# KiCad board demo_matrix2.kicad_pcb (continued)
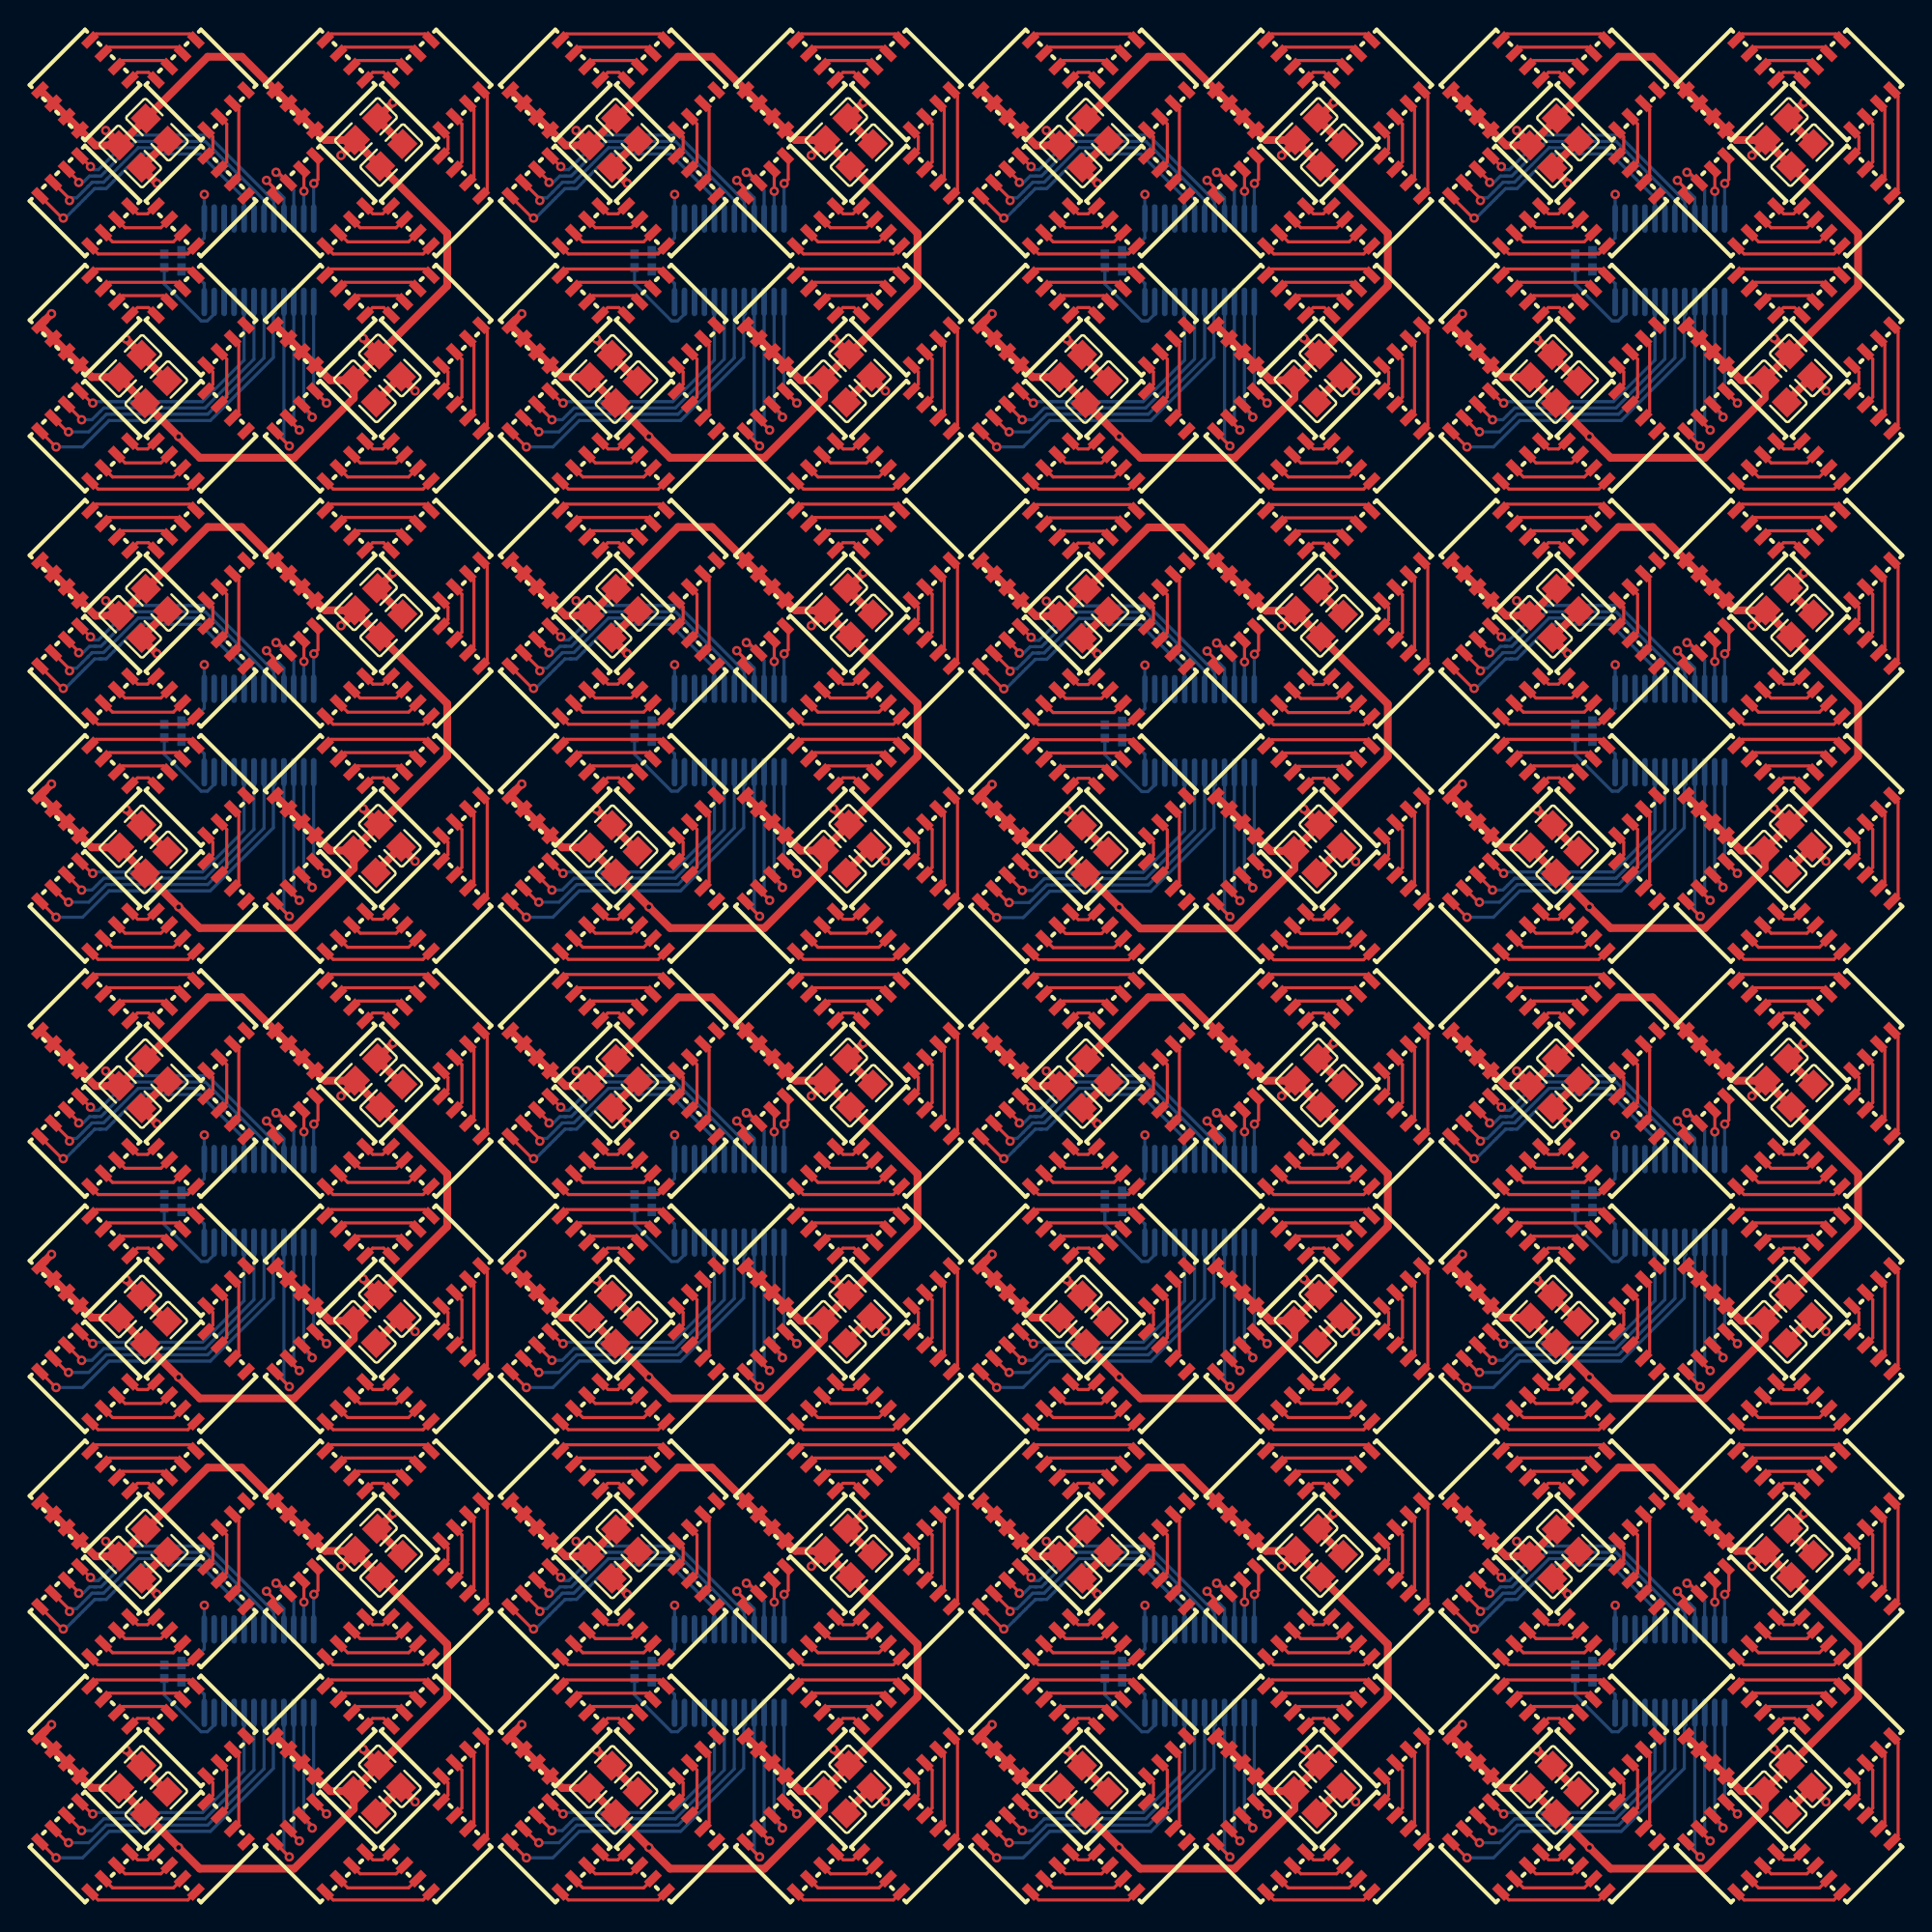
[diagram p0: board, top side]
## Routing (per net, layer and track width the routed paths; a pad name or vN(x,y) marks a point on that pad's centre or on a via; arc(x,y) is an arc through that point) (continued)
rgbs[3]-anodes-anode-52: length 5.5
  Top w0.2: LED200.4 110.56,12.39 114.44,12.39 LED199.3
rgbs[3]-anodes-anode-53: length 7.2
  Top w0.2: LED200.2 109.63,11.62 115.37,11.62 LED199.1
rgbs[3]-anodes-anode-54: length 3.8
  Top w0.2: LED200.6 111.36,13.29 113.64,13.29 LED199.5
rgbs[3]-anodes-anode-55: length 2.1
  Top w0.2: LED200.8 112.16,14.18 112.79,14.18 113.25,14.64 113.29,14.64 LED199.7
rgbs[3]-anodes-anode-56: length 5.5
  Top w0.2: LED203.3 99.44,-2.61 95.56,-2.61 LED204.4
rgbs[3]-anodes-anode-57: length 7.2
  Top w0.2: LED203.1 100.37,-3.38 94.63,-3.38 LED204.2
rgbs[3]-anodes-anode-58: length 3.8
  Top w0.2: LED204.6 96.36,-1.71 98.64,-1.71 LED203.5
rgbs[3]-anodes-anode-59: length 2.1
  Top w0.2: LED204.8 97.16,-0.82 97.79,-0.82 98.25,-0.36 98.29,-0.36 LED203.7
rgbs[3]-anodes-anode-60: length 5.5
  Top w0.2: LED208.4 110.56,-2.61 114.44,-2.61 LED207.3
rgbs[3]-anodes-anode-61: length 7.2
  Top w0.2: LED208.2 109.63,-3.38 115.37,-3.38 LED207.1
rgbs[3]-anodes-anode-62: length 3.8
  Top w0.2: LED208.6 111.36,-1.71 113.64,-1.71 LED207.5
rgbs[3]-anodes-anode-63: length 2.1
  Top w0.2: LED208.8 112.16,-0.82 112.79,-0.82 113.25,-0.36 113.29,-0.36 LED207.7
rgbs[3]-anodes-anode-64: length 5.5
  Top w0.2: LED212.4 65.56,12.39 69.44,12.39 LED211.3
rgbs[3]-anodes-anode-65: length 7.2
  Top w0.2: LED211.1 70.37,11.62 64.63,11.62 LED212.2
rgbs[3]-anodes-anode-66: length 3.8
  Top w0.2: LED212.6 66.36,13.29 68.64,13.29 LED211.5
rgbs[3]-anodes-anode-67: length 2.1
  Top w0.2: LED212.8 67.16,14.18 67.79,14.18 68.25,14.64 68.29,14.64 LED211.7
rgbs[3]-anodes-anode-68: length 5.5
  Top w0.2: LED216.4 80.56,12.39 84.44,12.39 LED215.3
rgbs[3]-anodes-anode-69: length 7.2
  Top w0.2: LED216.2 79.63,11.62 85.37,11.62 LED215.1
rgbs[3]-anodes-anode-70: length 3.8
  Top w0.2: LED216.6 81.36,13.29 83.64,13.29 LED215.5
rgbs[3]-anodes-anode-71: length 2.1
  Top w0.2: LED216.8 82.16,14.18 82.79,14.18 83.25,14.64 83.29,14.64 LED215.7
rgbs[3]-anodes-anode-72: length 5.5
  Top w0.2: LED219.3 69.44,-2.61 65.56,-2.61 LED220.4
rgbs[3]-anodes-anode-73: length 7.2
  Top w0.2: LED220.2 64.63,-3.38 70.37,-3.38 LED219.1
rgbs[3]-anodes-anode-74: length 3.8
  Top w0.2: LED219.5 68.64,-1.71 66.36,-1.71 LED220.6
rgbs[3]-anodes-anode-75: length 2.1
  Top w0.2: LED219.7 68.29,-0.36 68.25,-0.36 67.79,-0.82 67.16,-0.82 LED220.8
rgbs[3]-anodes-anode-76: length 5.5
  Top w0.2: LED224.4 80.56,-2.61 84.44,-2.61 LED223.3
rgbs[3]-anodes-anode-77: length 7.2
  Top w0.2: LED224.2 79.63,-3.38 85.37,-3.38 LED223.1
rgbs[3]-anodes-anode-78: length 3.8
  Top w0.2: LED223.5 83.64,-1.71 81.36,-1.71 LED224.6
rgbs[3]-anodes-anode-79: length 2.1
  Top w0.2: LED223.7 83.29,-0.36 83.25,-0.36 82.79,-0.82 82.16,-0.82 LED224.8
rgbs[3]-anodes-anode-80: length 5.5
  Top w0.2: LED227.3 39.44,12.39 35.56,12.39 LED228.4
rgbs[3]-anodes-anode-81: length 7.2
  Top w0.2: LED227.1 40.37,11.62 34.63,11.62 LED228.2
rgbs[3]-anodes-anode-82: length 3.8
  Top w0.2: LED228.6 36.36,13.29 38.64,13.29 LED227.5
rgbs[3]-anodes-anode-83: length 2.1
  Top w0.2: LED228.8 37.16,14.18 37.79,14.18 38.25,14.64 38.29,14.64 LED227.7
rgbs[3]-anodes-anode-84: length 5.5
  Top w0.2: LED231.3 54.44,12.39 50.56,12.39 LED232.4
rgbs[3]-anodes-anode-85: length 7.2
  Top w0.2: LED231.1 55.37,11.62 49.63,11.62 LED232.2
rgbs[3]-anodes-anode-86: length 3.8
  Top w0.2: LED232.6 51.36,13.29 53.64,13.29 LED231.5
rgbs[3]-anodes-anode-87: length 2.1
  Top w0.2: LED231.7 53.29,14.64 53.25,14.64 52.79,14.18 52.16,14.18 LED232.8
rgbs[3]-anodes-anode-88: length 5.5
  Top w0.2: LED236.4 35.56,-2.61 39.44,-2.61 LED235.3
rgbs[3]-anodes-anode-89: length 7.2
  Top w0.2: LED235.1 40.37,-3.38 34.63,-3.38 LED236.2
rgbs[3]-anodes-anode-90: length 3.8
  Top w0.2: LED235.5 38.64,-1.71 36.36,-1.71 LED236.6
rgbs[3]-anodes-anode-91: length 2.1
  Top w0.2: LED236.8 37.16,-0.82 37.79,-0.82 38.25,-0.36 38.29,-0.36 LED235.7
rgbs[3]-anodes-anode-92: length 5.5
  Top w0.2: LED239.3 54.44,-2.61 50.56,-2.61 LED240.4
rgbs[3]-anodes-anode-93: length 7.2
  Top w0.2: LED239.1 55.37,-3.38 49.63,-3.38 LED240.2
rgbs[3]-anodes-anode-94: length 3.8
  Top w0.2: LED240.6 51.36,-1.71 53.64,-1.71 LED239.5
rgbs[3]-anodes-anode-95: length 2.1
  Top w0.2: LED240.8 52.16,-0.82 52.79,-0.82 53.25,-0.36 53.29,-0.36 LED239.7
rgbs[3]-anodes-anode-96: length 5.5
  Top w0.2: LED244.4 5.56,12.39 9.44,12.39 LED243.3
rgbs[3]-anodes-anode-97: length 7.2
  Top w0.2: LED244.2 4.63,11.62 10.37,11.62 LED243.1
rgbs[3]-anodes-anode-98: length 3.8
  Top w0.2: LED243.5 8.64,13.29 6.36,13.29 LED244.6
rgbs[3]-anodes-anode-99: length 2.1
  Top w0.2: LED243.7 8.29,14.64 8.25,14.64 7.79,14.18 7.16,14.18 LED244.8
rgbs[3]-anodes-anode-100: length 5.5
  Top w0.2: LED248.4 20.56,12.39 24.44,12.39 LED247.3
rgbs[3]-anodes-anode-101: length 7.2
  Top w0.2: LED247.1 25.37,11.62 19.63,11.62 LED248.2
rgbs[3]-anodes-anode-102: length 3.8
  Top w0.2: LED248.6 21.36,13.29 23.64,13.29 LED247.5
rgbs[3]-anodes-anode-103: length 2.1
  Top w0.2: LED248.8 22.16,14.18 22.79,14.18 23.25,14.64 23.29,14.64 LED247.7
rgbs[3]-anodes-anode-104: length 5.5
  Top w0.2: LED252.4 5.56,-2.61 9.44,-2.61 LED251.3
rgbs[3]-anodes-anode-105: length 7.2
  Top w0.2: LED251.1 10.37,-3.38 4.63,-3.38 LED252.2
rgbs[3]-anodes-anode-106: length 3.8
  Top w0.2: LED252.6 6.36,-1.71 8.64,-1.71 LED251.5
rgbs[3]-anodes-anode-107: length 2.1
  Top w0.2: LED252.8 7.16,-0.82 7.79,-0.82 8.25,-0.36 8.29,-0.36 LED251.7
rgbs[3]-anodes-anode-108: length 5.5
  Top w0.2: LED256.4 20.56,-2.61 24.44,-2.61 LED255.3
rgbs[3]-anodes-anode-109: length 7.2
  Top w0.2: LED255.1 25.37,-3.38 19.63,-3.38 LED256.2
rgbs[3]-anodes-anode-110: length 3.8
  Top w0.2: LED255.5 23.64,-1.71 21.36,-1.71 LED256.6
rgbs[3]-anodes-anode-111: length 2.1
  Top w0.2: LED255.7 23.29,-0.36 23.25,-0.36 22.79,-0.82 22.16,-0.82 LED256.8
rgbs[3]-anodes-anode-112: length 5.5
  Top w0.2: LED19.3 39.44,102.39 35.56,102.39 LED20.4
rgbs[3]-anodes-anode-113: length 7.2
  Top w0.2: LED19.1 40.37,101.62 34.63,101.62 LED20.2
rgbs[3]-anodes-anode-114: length 3.8
  Top w0.2: LED19.5 38.64,103.29 36.36,103.29 LED20.6
rgbs[3]-anodes-anode-115: length 2.1
  Top w0.2: LED20.8 37.16,104.18 37.79,104.18 38.25,104.64 38.29,104.64 LED19.7
rgbs[3]-anodes-anode-116: length 5.5
  Top w0.2: LED23.3 54.44,102.39 50.56,102.39 LED24.4
rgbs[3]-anodes-anode-117: length 7.2
  Top w0.2: LED23.1 55.37,101.62 49.63,101.62 LED24.2
rgbs[3]-anodes-anode-118: length 3.8
  Top w0.2: LED24.6 51.36,103.29 53.64,103.29 LED23.5
rgbs[3]-anodes-anode-119: length 2.1
  Top w0.2: LED23.7 53.29,104.64 53.25,104.64 52.79,104.18 52.16,104.18 LED24.8
rgbs[3]-anodes-anode-120: length 5.5
  Top w0.2: LED28.4 35.56,87.39 39.44,87.39 LED27.3
rgbs[3]-anodes-anode-121: length 7.2
  Top w0.2: LED28.2 34.63,86.62 40.37,86.62 LED27.1
rgbs[3]-anodes-anode-122: length 3.8
  Top w0.2: LED28.6 36.36,88.29 38.64,88.29 LED27.5
rgbs[3]-anodes-anode-123: length 2.1
  Top w0.2: LED27.7 38.29,89.64 38.25,89.64 37.79,89.18 37.16,89.18 LED28.8
rgbs[3]-anodes-anode-124: length 5.5
  Top w0.2: LED32.4 50.56,87.39 54.44,87.39 LED31.3
rgbs[3]-anodes-anode-125: length 7.2
  Top w0.2: LED32.2 49.63,86.62 55.37,86.62 LED31.1
rgbs[3]-anodes-anode-126: length 3.8
  Top w0.2: LED32.6 51.36,88.29 53.64,88.29 LED31.5
rgbs[3]-anodes-anode-127: length 2.1
  Top w0.2: LED32.8 52.16,89.18 52.79,89.18 53.25,89.64 53.29,89.64 LED31.7
rgbs[3]-anodes-anode-128: length 5.5
  Top w0.2: LED36.4 65.56,102.39 69.44,102.39 LED35.3
rgbs[3]-anodes-anode-129: length 7.2
  Top w0.2: LED35.1 70.37,101.62 64.63,101.62 LED36.2
rgbs[3]-anodes-anode-130: length 3.8
  Top w0.2: LED36.6 66.36,103.29 68.64,103.29 LED35.5
rgbs[3]-anodes-anode-131: length 2.1
  Top w0.2: LED35.7 68.29,104.64 68.25,104.64 67.79,104.18 67.16,104.18 LED36.8
rgbs[3]-anodes-anode-132: length 5.5
  Top w0.2: LED40.4 80.56,102.39 84.44,102.39 LED39.3
rgbs[3]-anodes-anode-133: length 7.2
  Top w0.2: LED40.2 79.63,101.62 85.37,101.62 LED39.1
rgbs[3]-anodes-anode-134: length 3.8
  Top w0.2: LED39.5 83.64,103.29 81.36,103.29 LED40.6
rgbs[3]-anodes-anode-135: length 2.1
  Top w0.2: LED40.8 82.16,104.18 82.79,104.18 83.25,104.64 83.29,104.64 LED39.7
rgbs[3]-anodes-anode-136: length 5.5
  Top w0.2: LED43.3 69.44,87.39 65.56,87.39 LED44.4
rgbs[3]-anodes-anode-137: length 7.2
  Top w0.2: LED43.1 70.37,86.62 64.63,86.62 LED44.2
rgbs[3]-anodes-anode-138: length 3.8
  Top w0.2: LED43.5 68.64,88.29 66.36,88.29 LED44.6
rgbs[3]-anodes-anode-139: length 2.1
  Top w0.2: LED44.8 67.16,89.18 67.79,89.18 68.25,89.64 68.29,89.64 LED43.7
rgbs[3]-anodes-anode-140: length 5.5
  Top w0.2: LED47.3 84.44,87.39 80.56,87.39 LED48.4
rgbs[3]-anodes-anode-141: length 7.2
  Top w0.2: LED48.2 79.63,86.62 85.37,86.62 LED47.1
rgbs[3]-anodes-anode-142: length 3.8
  Top w0.2: LED48.6 81.36,88.29 83.64,88.29 LED47.5
rgbs[3]-anodes-anode-143: length 2.1
  Top w0.2: LED47.7 83.29,89.64 83.25,89.64 82.79,89.18 82.16,89.18 LED48.8
rgbs[3]-anodes-anode-144: length 5.5
  Top w0.2: LED51.3 99.44,102.39 95.56,102.39 LED52.4
rgbs[3]-anodes-anode-145: length 7.2
  Top w0.2: LED51.1 100.37,101.62 94.63,101.62 LED52.2
rgbs[3]-anodes-anode-146: length 3.8
  Top w0.2: LED51.5 98.64,103.29 96.36,103.29 LED52.6
rgbs[3]-anodes-anode-147: length 2.1
  Top w0.2: LED51.7 98.29,104.64 98.25,104.64 97.79,104.18 97.16,104.18 LED52.8
rgbs[3]-anodes-anode-148: length 5.5
  Top w0.2: LED56.4 110.56,102.39 114.44,102.39 LED55.3
rgbs[3]-anodes-anode-149: length 7.2
  Top w0.2: LED56.2 109.63,101.62 115.37,101.62 LED55.1
rgbs[3]-anodes-anode-150: length 3.8
  Top w0.2: LED56.6 111.36,103.29 113.64,103.29 LED55.5
rgbs[3]-anodes-anode-151: length 2.1
  Top w0.2: LED55.7 113.29,104.64 113.25,104.64 112.79,104.18 112.16,104.18 LED56.8
rgbs[3]-anodes-anode-152: length 5.5
  Top w0.2: LED59.3 99.44,87.39 95.56,87.39 LED60.4
rgbs[3]-anodes-anode-153: length 7.2
  Top w0.2: LED59.1 100.37,86.62 94.63,86.62 LED60.2
rgbs[3]-anodes-anode-154: length 3.8
  Top w0.2: LED60.6 96.36,88.29 98.64,88.29 LED59.5
rgbs[3]-anodes-anode-155: length 2.1
  Top w0.2: LED59.7 98.29,89.64 98.25,89.64 97.79,89.18 97.16,89.18 LED60.8
rgbs[3]-anodes-anode-156: length 5.5
  Top w0.2: LED64.4 110.56,87.39 114.44,87.39 LED63.3
rgbs[3]-anodes-anode-157: length 7.2
  Top w0.2: LED64.2 109.63,86.62 115.37,86.62 LED63.1
rgbs[3]-anodes-anode-158: length 3.8
  Top w0.2: LED64.6 111.36,88.29 113.64,88.29 LED63.5
rgbs[3]-anodes-anode-159: length 2.1
  Top w0.2: LED63.7 113.29,89.64 113.25,89.64 112.79,89.18 112.16,89.18 LED64.8
rgbs[3]-anodes-anode-160: length 5.5
  Top w0.2: LED67.3 99.44,72.39 95.56,72.39 LED68.4
rgbs[3]-anodes-anode-161: length 7.2
  Top w0.2: LED68.2 94.63,71.62 100.37,71.62 LED67.1
rgbs[3]-anodes-anode-162: length 3.8
  Top w0.2: LED68.6 96.35,73.29 98.64,73.29 LED67.5
rgbs[3]-anodes-anode-163: length 2.1
  Top w0.2: LED67.7 98.29,74.64 98.25,74.64 97.79,74.18 97.16,74.18 LED68.8
rgbs[3]-anodes-anode-164: length 5.5
  Top w0.2: LED72.4 110.56,72.39 114.44,72.39 LED71.3
rgbs[3]-anodes-anode-165: length 7.2
  Top w0.2: LED71.1 115.37,71.62 109.63,71.62 LED72.2
rgbs[3]-anodes-anode-166: length 3.8
  Top w0.2: LED71.5 113.64,73.29 111.35,73.29 LED72.6
rgbs[3]-anodes-anode-167: length 2.1
  Top w0.2: LED71.7 113.29,74.64 113.25,74.64 112.79,74.18 112.16,74.18 LED72.8
rgbs[3]-anodes-anode-168: length 5.5
  Top w0.2: LED76.4 95.56,57.39 99.44,57.39 LED75.3
rgbs[3]-anodes-anode-169: length 7.2
  Top w0.2: LED75.1 100.37,56.62 94.63,56.62 LED76.2
rgbs[3]-anodes-anode-170: length 3.8
  Top w0.2: LED76.6 96.35,58.29 98.64,58.29 LED75.5
rgbs[3]-anodes-anode-171: length 2.1
  Top w0.2: LED76.8 97.16,59.18 97.79,59.18 98.25,59.64 98.29,59.64 LED75.7
rgbs[3]-anodes-anode-172: length 5.5
  Top w0.2: LED79.3 114.44,57.39 110.56,57.39 LED80.4
rgbs[3]-anodes-anode-173: length 7.2
  Top w0.2: LED79.1 115.37,56.62 109.63,56.62 LED80.2
rgbs[3]-anodes-anode-174: length 3.8
  Top w0.2: LED79.5 113.64,58.29 111.35,58.29 LED80.6
rgbs[3]-anodes-anode-175: length 2.1
  Top w0.2: LED79.7 113.29,59.64 113.25,59.64 112.79,59.18 112.16,59.18 LED80.8
rgbs[3]-anodes-anode-176: length 5.5
  Top w0.2: LED84.4 65.56,72.37 69.44,72.37 LED83.3
rgbs[3]-anodes-anode-177: length 7.2
  Top w0.2: LED83.1 70.37,71.6 64.63,71.6 LED84.2
rgbs[3]-anodes-anode-178: length 3.8
  Top w0.2: LED83.5 68.64,73.27 66.36,73.27 LED84.6
rgbs[3]-anodes-anode-179: length 2.1
  Top w0.2: LED83.7 68.29,74.61 68.25,74.61 67.79,74.16 67.16,74.16 LED84.8
rgbs[3]-anodes-anode-180: length 5.5
  Top w0.2: LED88.4 80.56,72.37 84.44,72.37 LED87.3
rgbs[3]-anodes-anode-181: length 7.2
  Top w0.2: LED88.2 79.63,71.6 85.37,71.6 LED87.1
rgbs[3]-anodes-anode-182: length 3.8
  Top w0.2: LED88.6 81.36,73.27 83.64,73.27 LED87.5
rgbs[3]-anodes-anode-183: length 2.1
  Top w0.2: LED87.7 83.29,74.61 83.25,74.61 82.79,74.16 82.16,74.16 LED88.8
rgbs[3]-anodes-anode-184: length 5.5
  Top w0.2: LED91.3 69.44,57.37 65.56,57.37 LED92.4
rgbs[3]-anodes-anode-185: length 7.2
  Top w0.2: LED92.2 64.63,56.6 70.37,56.6 LED91.1
rgbs[3]-anodes-anode-186: length 3.8
  Top w0.2: LED91.5 68.64,58.27 66.36,58.27 LED92.6
rgbs[3]-anodes-anode-187: length 2.1
  Top w0.2: LED91.7 68.29,59.61 68.25,59.61 67.79,59.16 67.16,59.16 LED92.8
rgbs[3]-anodes-anode-188: length 5.5
  Top w0.2: LED95.3 84.44,57.37 80.56,57.37 LED96.4
rgbs[3]-anodes-anode-189: length 7.2
  Top w0.2: LED95.1 85.37,56.6 79.63,56.6 LED96.2
rgbs[3]-anodes-anode-190: length 3.8
  Top w0.2: LED96.6 81.36,58.27 83.64,58.27 LED95.5
rgbs[3]-anodes-anode-191: length 2.1
  Top w0.2: LED95.7 83.29,59.61 83.25,59.61 82.79,59.16 82.16,59.16 LED96.8
rgbs[3]-anodes-anode-192: length 5.5
  Top w0.2: LED99.3 39.44,72.39 35.56,72.39 LED100.4
rgbs[3]-anodes-anode-193: length 7.2
  Top w0.2: LED100.2 34.63,71.62 40.37,71.62 LED99.1
rgbs[3]-anodes-anode-194: length 3.8
  Top w0.2: LED99.5 38.64,73.29 36.36,73.29 LED100.6
rgbs[3]-anodes-anode-195: length 2.1
  Top w0.2: LED99.7 38.29,74.64 38.25,74.64 37.79,74.18 37.16,74.18 LED100.8
rgbs[3]-anodes-anode-196: length 5.5
  Top w0.2: LED103.3 54.44,72.39 50.56,72.39 LED104.4
rgbs[3]-anodes-anode-197: length 7.2
  Top w0.2: LED103.1 55.37,71.62 49.63,71.62 LED104.2
rgbs[3]-anodes-anode-198: length 3.8
  Top w0.2: LED103.5 53.64,73.29 51.36,73.29 LED104.6
rgbs[3]-anodes-anode-199: length 2.1
  Top w0.2: LED104.8 52.16,74.18 52.79,74.18 53.25,74.64 53.29,74.64 LED103.7
rgbs[3]-anodes-anode-200: length 5.5
  Top w0.2: LED107.3 39.44,57.39 35.56,57.39 LED108.4
rgbs[3]-anodes-anode-201: length 7.2
  Top w0.2: LED108.2 34.63,56.62 40.37,56.62 LED107.1
rgbs[3]-anodes-anode-202: length 3.8
  Top w0.2: LED107.5 38.64,58.29 36.36,58.29 LED108.6
rgbs[3]-anodes-anode-203: length 2.1
  Top w0.2: LED107.7 38.29,59.64 38.25,59.64 37.79,59.18 37.16,59.18 LED108.8
rgbs[3]-anodes-anode-204: length 5.5
  Top w0.2: LED112.4 50.56,57.39 54.44,57.39 LED111.3
rgbs[3]-anodes-anode-205: length 7.2
  Top w0.2: LED111.1 55.37,56.62 49.63,56.62 LED112.2
rgbs[3]-anodes-anode-206: length 3.8
  Top w0.2: LED111.5 53.64,58.29 51.36,58.29 LED112.6
rgbs[3]-anodes-anode-207: length 2.1
  Top w0.2: LED111.7 53.29,59.64 53.25,59.64 52.79,59.18 52.16,59.18 LED112.8
rgbs[3]-anodes-anode-208: length 5.5
  Top w0.2: LED115.3 9.44,72.39 5.56,72.39 LED116.4
rgbs[3]-anodes-anode-209: length 7.2
  Top w0.2: LED115.1 10.37,71.62 4.63,71.62 LED116.2
rgbs[3]-anodes-anode-210: length 3.8
  Top w0.2: LED115.5 8.64,73.29 6.36,73.29 LED116.6
rgbs[3]-anodes-anode-211: length 2.1
  Top w0.2: LED115.7 8.29,74.64 8.25,74.64 7.79,74.18 7.16,74.18 LED116.8
rgbs[3]-anodes-anode-212: length 5.5
  Top w0.2: LED120.4 20.56,72.39 24.44,72.39 LED119.3
rgbs[3]-anodes-anode-213: length 7.2
  Top w0.2: LED119.1 25.37,71.62 19.63,71.62 LED120.2
rgbs[3]-anodes-anode-214: length 3.8
  Top w0.2: LED119.5 23.64,73.29 21.36,73.29 LED120.6
rgbs[3]-anodes-anode-215: length 2.1
  Top w0.2: LED119.7 23.29,74.64 23.25,74.64 22.79,74.18 22.16,74.18 LED120.8
rgbs[3]-anodes-anode-216: length 5.5
  Top w0.2: LED123.3 9.44,57.39 5.56,57.39 LED124.4
rgbs[3]-anodes-anode-217: length 7.2
  Top w0.2: LED123.1 10.37,56.62 4.63,56.62 LED124.2
rgbs[3]-anodes-anode-218: length 3.8
  Top w0.2: LED123.5 8.64,58.29 6.36,58.29 LED124.6
rgbs[3]-anodes-anode-219: length 2.1
  Top w0.2: LED124.8 7.16,59.18 7.79,59.18 8.25,59.64 8.29,59.64 LED123.7
rgbs[3]-anodes-anode-220: length 5.5
  Top w0.2: LED127.3 24.44,57.39 20.56,57.39 LED128.4
rgbs[3]-anodes-anode-221: length 7.2
  Top w0.2: LED128.2 19.63,56.62 25.37,56.62 LED127.1
rgbs[3]-anodes-anode-222: length 3.8
  Top w0.2: LED128.6 21.36,58.29 23.64,58.29 LED127.5
rgbs[3]-anodes-anode-223: length 2.1
  Top w0.2: LED128.8 22.16,59.18 22.79,59.18 23.25,59.64 23.29,59.64 LED127.7
rgbs[3]-anodes-anode-224: length 5.5
  Top w0.2: LED131.3 9.44,42.39 5.56,42.39 LED132.4
rgbs[3]-anodes-anode-225: length 7.2
  Top w0.2: LED132.2 4.63,41.62 10.37,41.62 LED131.1
rgbs[3]-anodes-anode-226: length 3.8
  Top w0.2: LED131.5 8.64,43.29 6.36,43.29 LED132.6
rgbs[3]-anodes-anode-227: length 2.1
  Top w0.2: LED132.8 7.16,44.18 7.79,44.18 8.25,44.64 8.29,44.64 LED131.7
rgbs[3]-anodes-anode-228: length 5.5
  Top w0.2: LED135.3 24.44,42.39 20.56,42.39 LED136.4
rgbs[3]-anodes-anode-229: length 7.2
  Top w0.2: LED135.1 25.37,41.62 19.63,41.62 LED136.2
rgbs[3]-anodes-anode-230: length 3.8
  Top w0.2: LED135.5 23.64,43.29 21.36,43.29 LED136.6
rgbs[3]-anodes-anode-231: length 2.1
  Top w0.2: LED136.8 22.16,44.18 22.79,44.18 23.25,44.64 23.29,44.64 LED135.7
rgbs[3]-anodes-anode-232: length 5.5
  Top w0.2: LED140.4 5.56,27.39 9.44,27.39 LED139.3
rgbs[3]-anodes-anode-233: length 7.2
  Top w0.2: LED140.2 4.63,26.62 10.37,26.62 LED139.1
rgbs[3]-anodes-anode-234: length 3.8
  Top w0.2: LED139.5 8.64,28.29 6.36,28.29 LED140.6
rgbs[3]-anodes-anode-235: length 2.1
  Top w0.2: LED139.7 8.29,29.64 8.25,29.64 7.79,29.18 7.16,29.18 LED140.8
rgbs[3]-anodes-anode-236: length 5.5
  Top w0.2: LED144.4 20.56,27.39 24.44,27.39 LED143.3
rgbs[3]-anodes-anode-237: length 7.2
  Top w0.2: LED143.1 25.37,26.62 19.63,26.62 LED144.2
rgbs[3]-anodes-anode-238: length 3.8
  Top w0.2: LED143.5 23.64,28.29 21.36,28.29 LED144.6
rgbs[3]-anodes-anode-239: length 2.1
  Top w0.2: LED143.7 23.29,29.64 23.25,29.64 22.79,29.18 22.16,29.18 LED144.8
rgbs[3]-anodes-anode-240: length 5.5
  Top w0.2: LED148.4 35.56,42.39 39.44,42.39 LED147.3
rgbs[3]-anodes-anode-241: length 7.2
  Top w0.2: LED147.1 40.37,41.62 34.63,41.62 LED148.2
rgbs[3]-anodes-anode-242: length 3.8
  Top w0.2: LED148.6 36.36,43.29 38.64,43.29 LED147.5
rgbs[3]-anodes-anode-243: length 2.1
  Top w0.2: LED148.8 37.16,44.18 37.79,44.18 38.25,44.64 38.29,44.64 LED147.7
rgbs[3]-anodes-anode-244: length 5.5
  Top w0.2: LED152.4 50.56,42.39 54.44,42.39 LED151.3
rgbs[3]-anodes-anode-245: length 7.2
  Top w0.2: LED152.2 49.63,41.62 55.37,41.62 LED151.1
rgbs[3]-anodes-anode-246: length 3.8
  Top w0.2: LED151.5 53.64,43.29 51.36,43.29 LED152.6
rgbs[3]-anodes-anode-247: length 2.1
  Top w0.2: LED152.8 52.16,44.18 52.79,44.18 53.25,44.64 53.29,44.64 LED151.7
rgbs[3]-anodes-anode-248: length 5.5
  Top w0.2: LED156.4 35.56,27.39 39.44,27.39 LED155.3
rgbs[3]-anodes-anode-249: length 7.2
  Top w0.2: LED155.1 40.37,26.62 34.63,26.62 LED156.2
rgbs[3]-anodes-anode-250: length 3.8
  Top w0.2: LED156.6 36.36,28.29 38.64,28.29 LED155.5
rgbs[3]-anodes-anode-251: length 2.1
  Top w0.2: LED156.8 37.16,29.18 37.79,29.18 38.25,29.64 38.29,29.64 LED155.7
rgbs[3]-anodes-anode-252: length 5.5
  Top w0.2: LED159.3 54.44,27.39 50.56,27.39 LED160.4
rgbs[3]-anodes-anode-253: length 7.2
  Top w0.2: LED159.1 55.37,26.62 49.63,26.62 LED160.2
rgbs[3]-anodes-anode-254: length 3.8
  Top w0.2: LED159.5 53.64,28.29 51.36,28.29 LED160.6
rgbs[3]-anodes-anode-255: length 2.1
  Top w0.2: LED160.8 52.16,29.18 52.79,29.18 53.25,29.64 53.29,29.64 LED159.7
rgbs[3]-cathodes-cathode-0: length 17.9
  Top w0.2: LED4.1 2.34,103.91 v1(2.42,103.91)
  Bottom w0.2: v1(2.42,103.91) 2.54,103.91 ; 2.54,103.91 3.06,104.43 3.06,104.43 3.41,104.78 3.41,104.78 3.81,105.18 4.05,105.42 4.4,105.77 4.4,105.77 4.42,105.79 4.73,105.79 4.82,105.79 5.16,105.79 7.36,108 11.15,108 13.95,105.19 13.95,104.99 U1.5 ; 2.54,103.91 2.61,103.97
rgbs[3]-cathodes-cathode-1: length 9.4
  Top w0.2: v1(17.47,90.39) 16.78,91.08 LED16.3
  Bottom w0.2: v1(17.47,90.39) 17.12,90.74 U1.15
rgbs[3]-cathodes-cathode-2: length 10.7
  Top w0.2: LED16.1 15.93,90.27 v1(16.83,89.37)
  Bottom w0.2: U1.16 16.49,89.71 v1(16.83,89.37)
rgbs[3]-cathodes-cathode-3: length 21.3
  Top w0.2: LED12.1 1.94,89.31 v1(1.96,89.31)
  Bottom w0.2: U1.17 15.92,98.56 15.92,97.86 15.82,97.75 15.82,95.02 11.8,91 5.33,91 3.65,89.31 v1(1.96,89.31)
rgbs[3]-cathodes-cathode-4: length 19.3
  Top w0.2: LED12.3 2.68,90.27 v1(2.75,90.27)
  Bottom w0.2: U1.18 15.22,94.99 11.63,91.4 5.17,91.4 4.04,90.27 v1(2.75,90.27)
rgbs[3]-cathodes-cathode-5: length 17.6
  Top w0.2: v1(3.59,91.05) 3.59,91.06 LED12.5
  Bottom w0.2: v1(3.59,91.05) 4.25,91.05 5,91.8 11.46,91.8 14.58,94.91 U1.19
rgbs[3]-cathodes-cathode-6: length 15.2
  Top w0.2: v1(4.3,92.11) 4.23,92.11 3.76,92.59
  Bottom w0.2: v1(4.3,92.11) 4.39,92.2 11.3,92.2 13.95,94.85 U1.20
rgbs[3]-cathodes-cathode-7: length 17.3
  Top w0.2: v1(2.81,105.03) 2.81,105.14 LED4.3
  Bottom w0.2: v1(2.81,105.03) 2.98,105.2 3.26,105.2 3.65,105.58 4,105.94 4,105.94 4.26,106.19 4.56,106.19 4.57,106.19 4.99,106.19 7.19,108.4 11.31,108.4 14.58,105.13 U1.6
rgbs[3]-cathodes-cathode-8: length 16.9
  Top w0.2: LED4.5 3.4,106.25 v1(3.4,106.19)
  Bottom w0.2: v1(3.4,106.19) 3.54,106.04 4.09,106.59 4.4,106.59 4.49,106.59 4.82,106.59 7.03,108.8 11.48,108.8 15.22,105.06 U1.7
rgbs[3]-cathodes-cathode-9: length 16.1
  Top w0.2: 3.76,107.59 4.15,107.2 v1(4.15,107.19)
  Bottom w0.2: U1.8 15.85,104.99 11.64,109.2 6.86,109.2 4.66,107 4.35,107 v1(4.15,107.19)
rgbs[3]-cathodes-cathode-10: length 4.1
  Top w0.2: v1(15.38,106.31) 15.93,105.76 LED8.1
  Bottom w0.2: v1(15.38,106.31) 16.49,105.2 U1.9
rgbs[3]-cathodes-cathode-11: length 4.5
  Top w0.2: LED8.3 16.12,106.83 v1(15.99,106.83)
  Bottom w0.2: U1.10 17.12,105.7 v1(15.99,106.83)
rgbs[3]-cathodes-cathode-12: length 3.2
  Top w0.2: LED8.5 17.77,106.88 v1(17.77,105.63)
  Bottom w0.2: U1.11 17.76,105.62 v1(17.77,105.63)
rgbs[3]-cathodes-cathode-13: length 3.7
  Top w0.2: 18.66,107.44 18.66,106.38 v1(18.4,106.11)
  Bottom w0.2: U1.12 18.39,106.1 v1(18.4,106.11)
rgbs[3]-cathodes-cathode-14: length 7.9
  Top w0.2: LED16.7 18.47,92.84 v1(19.21,92.11)
  Bottom w0.2: v1(19.21,92.11) 18.39,92.93 U1.13
rgbs[3]-cathodes-cathode-15: length 8.7
  Top w0.2: LED16.5 18.29,91.36 v1(18.29,91.21)
  Bottom w0.2: U1.14 17.76,91.74 v1(18.29,91.21)
rgbs[3]-cathodes-cathode-16: length 17.9
  Top w0.2: v1(62.42,43.91) 62.34,43.91 LED164.1
  Bottom w0.2: 62.54,43.91 63.06,44.43 63.06,44.43 63.41,44.78 63.41,44.78 63.81,45.18 64.05,45.42 64.4,45.77 64.4,45.77 64.42,45.79 64.73,45.79 64.82,45.79 65.16,45.79 67.36,48 71.15,48 73.95,45.19 73.95,44.99 U51.5 ; 62.54,43.91 v1(62.42,43.91) ; 62.54,43.91 62.61,43.97
rgbs[3]-cathodes-cathode-17: length 9.4
  Top w0.2: LED176.3 76.78,31.08 v1(77.47,30.39)
  Bottom w0.2: U51.15 77.12,30.74 v1(77.47,30.39)
rgbs[3]-cathodes-cathode-18: length 10.7
  Top w0.2: LED176.1 75.93,30.27 v1(76.83,29.37)
  Bottom w0.2: v1(76.83,29.37) 76.49,29.71 U51.16
rgbs[3]-cathodes-cathode-19: length 21.3
  Top w0.2: LED172.1 61.94,29.31 v1(61.96,29.31)
  Bottom w0.2: v1(61.96,29.31) 63.65,29.31 65.33,31 71.8,31 75.82,35.02 75.82,37.75 75.92,37.86 75.92,38.56 U51.17
rgbs[3]-cathodes-cathode-20: length 19.3
  Top w0.2: LED172.3 62.68,30.27 v1(62.75,30.27)
  Bottom w0.2: v1(62.75,30.27) 64.04,30.27 65.17,31.4 71.63,31.4 75.22,34.99 U51.18
rgbs[3]-cathodes-cathode-21: length 17.6
  Top w0.2: v1(63.59,31.05) 63.59,31.06 LED172.5
  Bottom w0.2: U51.19 74.58,34.91 71.46,31.8 65,31.8 64.25,31.05 v1(63.59,31.05)
rgbs[3]-cathodes-cathode-22: length 15.2
  Top w0.2: 63.76,32.59 64.23,32.11 v1(64.3,32.11)
  Bottom w0.2: v1(64.3,32.11) 64.39,32.2 71.3,32.2 73.95,34.85 U51.20
rgbs[3]-cathodes-cathode-23: length 17.3
  Top w0.2: v1(62.81,45.03) 62.81,45.14 LED164.3
  Bottom w0.2: v1(62.81,45.03) 62.98,45.2 63.26,45.2 63.65,45.58 64,45.94 64,45.94 64.26,46.19 64.56,46.19 64.57,46.19 64.99,46.19 67.19,48.4 71.31,48.4 74.58,45.13 U51.6
rgbs[3]-cathodes-cathode-24: length 16.9
  Top w0.2: LED164.5 63.4,46.25 v1(63.4,46.19)
  Bottom w0.2: U51.7 75.22,45.06 71.48,48.8 67.03,48.8 64.82,46.59 64.4,46.59 64.09,46.59 63.54,46.04 v1(63.4,46.19)
rgbs[3]-cathodes-cathode-25: length 16.1
  Top w0.2: 63.76,47.59 64.15,47.2 v1(64.15,47.19)
  Bottom w0.2: v1(64.15,47.19) 64.35,47 64.66,47 66.86,49.2 71.64,49.2 75.85,44.99 U51.8
rgbs[3]-cathodes-cathode-26: length 4.1
  Top w0.2: v1(75.38,46.31) 75.93,45.76 LED168.1
  Bottom w0.2: U51.9 76.49,45.2 v1(75.38,46.31)
rgbs[3]-cathodes-cathode-27: length 4.5
  Top w0.2: v1(75.99,46.83) 76.12,46.83 LED168.3
  Bottom w0.2: U51.10 77.12,45.7 v1(75.99,46.83)
rgbs[3]-cathodes-cathode-28: length 3.2
  Top w0.2: v1(77.77,45.63) 77.77,46.88 LED168.5
  Bottom w0.2: U51.11 77.76,45.62 v1(77.77,45.63)
rgbs[3]-cathodes-cathode-29: length 3.7
  Top w0.2: 78.66,47.44 78.66,46.38 v1(78.4,46.11)
  Bottom w0.2: U51.12 78.39,46.1 v1(78.4,46.11)
